# KiCad board cm0.kicad_pcb (continued)
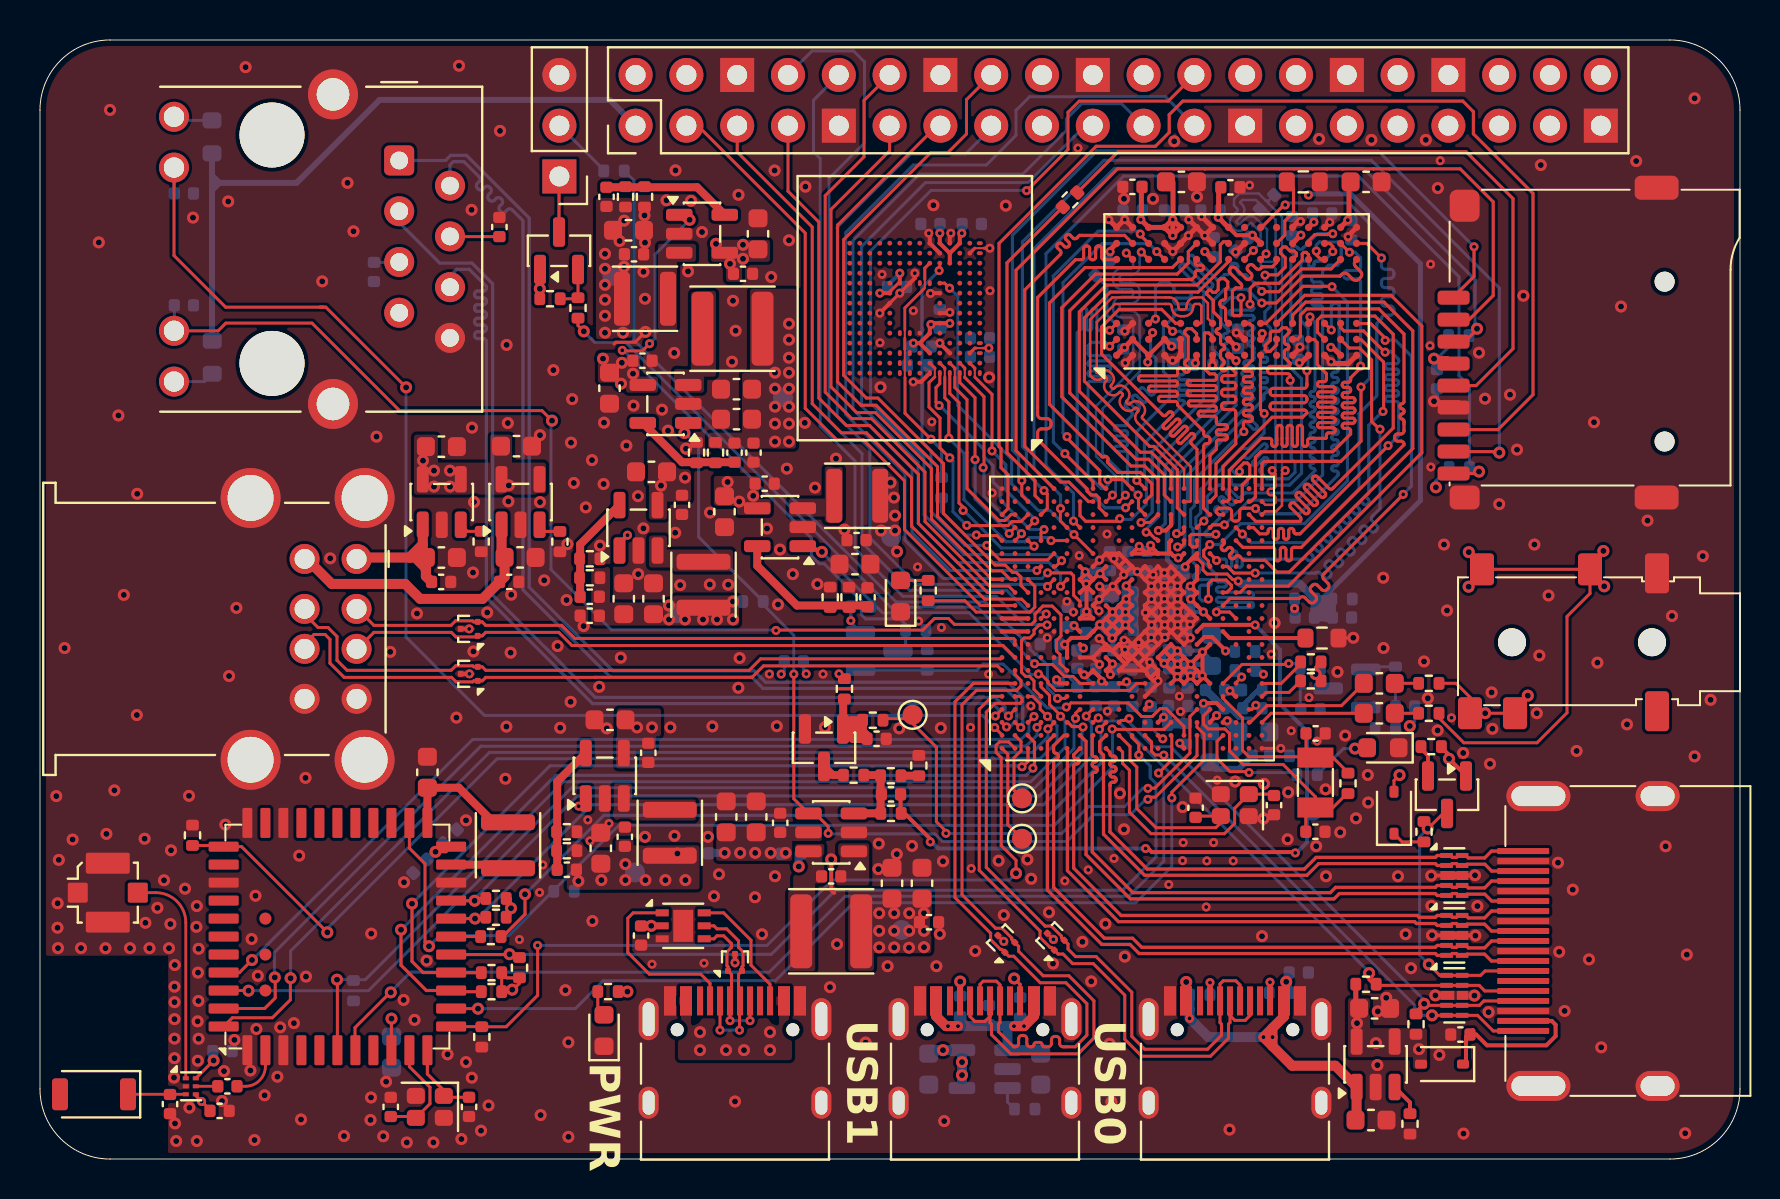
[diagram p0: board, top side]
## Library data of the parts (continued)
U3-U5 U8 = -: Datasheet: https://www.lcsc.com/datasheet/C79313.pdf; Description: 1.5MHz 1A Buck Adjustable DC DC Switching Regulator; LCSC Part #: C79313
U6 = -: Datasheet: https://www.lcsc.com/datasheet/C78988.pdf; Description: 1MHz 2A Buck Adjustable DC DC Switching Regulator; LCSC Part #: C78988
U7 = -: Datasheet: https://www.lcsc.com/datasheet/C479075.pdf; Description: 500kHz 3A Buck Adjustable DC DC Switching Regulator; LCSC Part #: C479075; FT Rotation Offset: 90
U9-U12 = -: Datasheet: https://www.lcsc.com/datasheet/C55136.pdf; Description: 1 Active High High Side Switch SOT-23-5 Power Distribution Switches, Load Drivers RoHS; LCSC Part #: C55136; FT Rotation Offset: 90
U13-U16 U18 = -: Datasheet: http://www.ti.com/lit/ds/symlink/tpd2eusb30a.pdf; Description: 2-Channel ESD Protection for Super-Speed USB 3.0 Interface, DRT-3; LCSC Part #: C5182099; FT Rotation Offset: -90; ki_fp_filters: Texas*DRT*
U17 = -: Datasheet: https://www.lcsc.com/datasheet/C22373734.pdf; Description: 100W 3V~22V 5V Power Receiver USB PD Controller; LCSC Part #: C22373734; FT Rotation Offset: 90
U19-U21 = -: Datasheet: https://www.lcsc.com/datasheet/C2835428.pdf; Description: 13V 70W@8/20us 7.5V Unidirectional 5V DFN2510-10 TVS Diode; LCSC Part #: C2835428; FT Rotation Offset: -90
U22 = -: Description: eMMC 5.1 BGA153 generic symbol; LCSC Part #: C2830403
U23 = -: Datasheet: https://www.lcsc.com/datasheet/C19267604.pdf; Description: 100MHz~4.2GHz 23dB 0.4dB DFN-6L RF Switche; LCSC Part #: C19267604; FT Position Offset: -0.127,0
U24 = -: Datasheet: https://www.lcsc.com/datasheet/C2798300.pdf; Description: WiFi + Bluetooth 4.1 + FM SIP Module; LCSC Part #: C2798300
Y1 = -: Description: Two pin crystal; LCSC Part #: C32346; ki_fp_filters: Crystal*
Y2 = -: Description: Four pin crystal, GND on pins 2 and 4; LCSC Part #: C7294676; ki_fp_filters: Crystal*
Y3 = -: Description: Four pin crystal, GND on pins 2 and 4; LCSC Part #: C7301948; ki_fp_filters: Crystal*

## Footprints (pads in the part's own frame, mm; a bottom-side part is the same pattern mirrored in y, then rotated)
AP6212
  rrect 1.5x0.5 smd: 1(-5.688,4.5) 2(-5.688,3.6) 3(-5.688,2.7) 4(-5.688,1.8) 5(-5.688,0.9) 6(-5.688,0) 7(-5.688,-0.9) 8(-5.688,-1.8) 9(-5.688,-2.7) 10(-5.688,-3.6) 11(-5.688,-4.5) 23(5.688,-4.5) 24(5.688,-3.6) 25(5.688,-2.7) 26(5.688,-1.8) 27(5.688,-0.9) 28(5.688,0) 29(5.688,0.9) 30(5.688,1.8) 31(5.688,2.7) 32(5.688,3.6) 33(5.688,4.5)
  rrect 0.5x1.5 smd: 12(-4.5,-5.688) 13(-3.6,-5.688) 14(-2.7,-5.688) 15(-1.8,-5.688) 16(-0.9,-5.688) 17(0,-5.688) 18(0.9,-5.688) 19(1.8,-5.688) 20(2.7,-5.688) 21(3.6,-5.688) 22(4.5,-5.688) 34(4.5,5.688) 35(3.6,5.688) 36(2.7,5.688) 37(1.8,5.688) 38(0.9,5.688) 39(0,5.688) 40(-0.9,5.688) 41(-1.8,5.688) 42(-2.7,5.688) 43(-3.6,5.688) 44(-4.5,5.688)
  round 0.6 smd: 45(-2.7,3.6) 46(-0.9,3.6) 47(0.9,3.6)
C_0402_1005Metric
  rrect 0.56x0.62 smd: 1(-0.48,0) 2(0.48,0)
C_0603_1608Metric
  rrect 0.9x0.95 smd: 1(-0.775,0) 2(0.775,0)
Crystal_SMD_2016-4Pin_2.0x1.6mm
  rrect 0.9x0.8 smd: 1(-0.7,-0.55) 2(0.7,-0.55) 3(0.7,0.55) 4(-0.7,0.55)
Crystal_SMD_3215-2Pin_3.2x1.5mm
  rect 1x1.8 smd: 1(1.25,0) 2(-1.25,0)
D_SOD-323
  rrect 0.6x0.45 smd: 1(-1.05,0) 2(1.05,0)
DFN-6-1EP_2x2mm_P0.65mm_EP1x1.6mm
  rect 0.82x0.63 smd: (0,0.4) (0,-0.4)
  rect 0.65x0.35 smd: 1(-1.05,0.65) 2(-1.05,0) 3(-1.05,-0.65) 4(1.05,-0.65) 5(1.05,0) 6(1.05,0.65)
  rect 1x1.6 smd: 7(0,0)
DFN-6_1.1x0.7mm_P0.4mm
  rect 0.3x0.2 smd: 1(-0.368,0.4) 2(-0.368,0) 3(-0.368,-0.4) 4(0.132,-0.4) 5(0.132,0) 6(0.132,0.4)
Diodes_UDFN-10_1.0x2.5mm_P0.5mm
  rect 0.625x0.25 smd: 1(-0.388,1) 2(-0.388,0.5) 4(-0.388,-0.5) 5(-0.388,-1) 6(0.388,-1) 7(0.388,-0.5) 9(0.388,0.5) 10(0.388,1)
  rect 0.7x0.45 smd: 3(-0.35,0)
  rect 0.575x0.45 smd: 8(0.412,0)
FBGA-96_7.5x13mm_Layout9x16_P0.8mm
  round 0.36 smd: A1(-3.2,6) A2(-2.4,6) A3(-1.6,6) A7(1.6,6) A8(2.4,6) A9(3.2,6) B1(-3.2,5.2) B2(-2.4,5.2) B3(-1.6,5.2) B7(1.6,5.2) B8(2.4,5.2) B9(3.2,5.2) C1(-3.2,4.4) C2(-2.4,4.4) C3(-1.6,4.4) C7(1.6,4.4) C8(2.4,4.4) C9(3.2,4.4) D1(-3.2,3.6) D2(-2.4,3.6) D3(-1.6,3.6) D7(1.6,3.6) D8(2.4,3.6) D9(3.2,3.6) E1(-3.2,2.8) E2(-2.4,2.8) E3(-1.6,2.8) E7(1.6,2.8) E8(2.4,2.8) E9(3.2,2.8) F1(-3.2,2) F2(-2.4,2) F3(-1.6,2) F7(1.6,2) F8(2.4,2) F9(3.2,2) G1(-3.2,1.2) G2(-2.4,1.2) G3(-1.6,1.2) G7(1.6,1.2) G8(2.4,1.2) G9(3.2,1.2) H1(-3.2,0.4) H2(-2.4,0.4) H3(-1.6,0.4) H7(1.6,0.4) H8(2.4,0.4) H9(3.2,0.4) J1(-3.2,-0.4) J2(-2.4,-0.4) J3(-1.6,-0.4) J7(1.6,-0.4) J8(2.4,-0.4) J9(3.2,-0.4) K1(-3.2,-1.2) K2(-2.4,-1.2) K3(-1.6,-1.2) K7(1.6,-1.2) K8(2.4,-1.2) K9(3.2,-1.2) L1(-3.2,-2) L2(-2.4,-2) L3(-1.6,-2) L7(1.6,-2) L8(2.4,-2) L9(3.2,-2) M1(-3.2,-2.8) M2(-2.4,-2.8) M3(-1.6,-2.8) M7(1.6,-2.8) M8(2.4,-2.8) M9(3.2,-2.8) N1(-3.2,-3.6) N2(-2.4,-3.6) N3(-1.6,-3.6) N7(1.6,-3.6) N8(2.4,-3.6) N9(3.2,-3.6) P1(-3.2,-4.4) P2(-2.4,-4.4) P3(-1.6,-4.4) P7(1.6,-4.4) P8(2.4,-4.4) P9(3.2,-4.4) R1(-3.2,-5.2) R2(-2.4,-5.2) R3(-1.6,-5.2) R7(1.6,-5.2) R8(2.4,-5.2) R9(3.2,-5.2) T1(-3.2,-6) T2(-2.4,-6) T3(-1.6,-6) T7(1.6,-6) T8(2.4,-6) T9(3.2,-6)
FBGA-347_14x14mm_Layout21x21_P0.65mm
  round 0.24 smd: A1(-6.5,6.5) A2(-5.85,6.5) A3(-5.2,6.5) A4(-4.55,6.5) A5(-3.9,6.5) A7(-2.6,6.5) A8(-1.95,6.5) A10(-0.65,6.5) A11(0,6.5) A13(1.3,6.5) A14(1.95,6.5) A16(3.25,6.5) A17(3.9,6.5) A19(5.2,6.5) A20(5.85,6.5) A21(6.5,6.5) AA1(-6.5,-6.5) AA2(-5.85,-6.5) AA3(-5.2,-6.5) AA5(-3.9,-6.5) AA6(-3.25,-6.5) AA8(-1.95,-6.5) AA9(-1.3,-6.5) AA11(0,-6.5) AA12(0.65,-6.5) AA14(1.95,-6.5) AA15(2.6,-6.5) AA17(3.9,-6.5) AA18(4.55,-6.5) AA19(5.2,-6.5) AA20(5.85,-6.5) AA21(6.5,-6.5) B1(-6.5,5.85) B2(-5.85,5.85) B3(-5.2,5.85) B4(-4.55,5.85) B5(-3.9,5.85) B6(-3.25,5.85) B7(-2.6,5.85) B8(-1.95,5.85) B9(-1.3,5.85) B10(-0.65,5.85) B11(0,5.85) B12(0.65,5.85) B13(1.3,5.85) B14(1.95,5.85) B15(2.6,5.85) B16(3.25,5.85) B17(3.9,5.85) B18(4.55,5.85) B19(5.2,5.85) B20(5.85,5.85) B21(6.5,5.85) C1(-6.5,5.2) C2(-5.85,5.2) C3(-5.2,5.2) C5(-3.9,5.2) C6(-3.25,5.2) C7(-2.6,5.2) C8(-1.95,5.2) C9(-1.3,5.2) C10(-0.65,5.2) C11(0,5.2) C12(0.65,5.2) C13(1.3,5.2) C14(1.95,5.2) C15(2.6,5.2) C16(3.25,5.2) C17(3.9,5.2) C18(4.55,5.2) C19(5.2,5.2) C20(5.85,5.2) C21(6.5,5.2) D1(-6.5,4.55) D2(-5.85,4.55) D3(-5.2,4.55) D5(-3.9,4.55) D6(-3.25,4.55) D8(-1.95,4.55) D10(-0.65,4.55) D11(0,4.55) D13(1.3,4.55) D15(2.6,4.55) D17(3.9,4.55) D19(5.2,4.55) D20(5.85,4.55) E2(-5.85,3.9) E3(-5.2,3.9) E8(-1.95,3.9) E10(-0.65,3.9) E11(0,3.9) E13(1.3,3.9) E14(1.95,3.9) E15(2.6,3.9) E16(3.25,3.9) E18(4.55,3.9) E19(5.2,3.9) E20(5.85,3.9) E21(6.5,3.9) F1(-6.5,3.25) F2(-5.85,3.25) F3(-5.2,3.25) F5(-3.9,3.25) F6(-3.25,3.25) F7(-2.6,3.25) F8(-1.95,3.25) F10(-0.65,3.25) F11(0,3.25) F13(1.3,3.25) F14(1.95,3.25) F16(3.25,3.25) F17(3.9,3.25) F18(4.55,3.25) F19(5.2,3.25) F20(5.85,3.25) F21(6.5,3.25) G1(-6.5,2.6) G2(-5.85,2.6) G4(-4.55,2.6) G5(-3.9,2.6) G7(-2.6,2.6) G8(-1.95,2.6) G9(-1.3,2.6) G10(-0.65,2.6) G11(0,2.6) G12(0.65,2.6) G13(1.3,2.6) G14(1.95,2.6) G15(2.6,2.6) G18(4.55,2.6) G20(5.85,2.6) H2(-5.85,1.95) H3(-5.2,1.95) H4(-4.55,1.95) H6(-3.25,1.95) H7(-2.6,1.95) H8(-1.95,1.95) H10(-0.65,1.95) H11(0,1.95) H12(0.65,1.95) H13(1.3,1.95) H14(1.95,1.95) H15(2.6,1.95) H16(3.25,1.95) H17(3.9,1.95) H18(4.55,1.95) H19(5.2,1.95) H20(5.85,1.95) H21(6.5,1.95) J1(-6.5,1.3) J2(-5.85,1.3) J3(-5.2,1.3) J6(-3.25,1.3) J7(-2.6,1.3) J8(-1.95,1.3) J9(-1.3,1.3) J10(-0.65,1.3) J11(0,1.3) J12(0.65,1.3) J13(1.3,1.3) J14(1.95,1.3) J15(2.6,1.3) J16(3.25,1.3) J19(5.2,1.3) J20(5.85,1.3) J21(6.5,1.3) K1(-6.5,0.65) K2(-5.85,0.65) K3(-5.2,0.65) K4(-4.55,0.65) K6(-3.25,0.65) K7(-2.6,0.65) K8(-1.95,0.65) K9(-1.3,0.65) K10(-0.65,0.65) K11(0,0.65) K12(0.65,0.65) K13(1.3,0.65) K14(1.95,0.65) K15(2.6,0.65) K16(3.25,0.65) K17(3.9,0.65) K18(4.55,0.65) K20(5.85,0.65) L2(-5.85,0) L5(-3.9,0) L8(-1.95,0) L9(-1.3,0) L10(-0.65,0) L11(0,0) L12(0.65,0) L13(1.3,0) L14(1.95,0) L15(2.6,0) L16(3.25,0) L17(3.9,0) L18(4.55,0) L19(5.2,0) L20(5.85,0) L21(6.5,0) M1(-6.5,-0.65) M2(-5.85,-0.65) M3(-5.2,-0.65) M4(-4.55,-0.65) M5(-3.9,-0.65) M6(-3.25,-0.65) M7(-2.6,-0.65) M8(-1.95,-0.65) M9(-1.3,-0.65) M10(-0.65,-0.65) M11(0,-0.65) M12(0.65,-0.65) M13(1.3,-0.65) M14(1.95,-0.65) M15(2.6,-0.65) M16(3.25,-0.65) M19(5.2,-0.65) M20(5.85,-0.65) M21(6.5,-0.65) N1(-6.5,-1.3) N2(-5.85,-1.3) N3(-5.2,-1.3) N7(-2.6,-1.3) N8(-1.95,-1.3) N9(-1.3,-1.3) N10(-0.65,-1.3) N11(0,-1.3) N12(0.65,-1.3) N13(1.3,-1.3) N14(1.95,-1.3) N15(2.6,-1.3) N16(3.25,-1.3) N17(3.9,-1.3) N19(5.2,-1.3) N20(5.85,-1.3) P2(-5.85,-1.95) P3(-5.2,-1.95) P6(-3.25,-1.95) P7(-2.6,-1.95) P8(-1.95,-1.95) P9(-1.3,-1.95) P10(-0.65,-1.95) P11(0,-1.95) P12(0.65,-1.95) P13(1.3,-1.95) P14(1.95,-1.95) P15(2.6,-1.95) P16(3.25,-1.95) P17(3.9,-1.95) P19(5.2,-1.95) P20(5.85,-1.95) P21(6.5,-1.95) R1(-6.5,-2.6) R2(-5.85,-2.6) R6(-3.25,-2.6) R7(-2.6,-2.6) R8(-1.95,-2.6) R9(-1.3,-2.6) R10(-0.65,-2.6) R11(0,-2.6) R12(0.65,-2.6) R13(1.3,-2.6) R14(1.95,-2.6) R16(3.25,-2.6) R17(3.9,-2.6) R18(4.55,-2.6) R19(5.2,-2.6) R20(5.85,-2.6) R21(6.5,-2.6) T2(-5.85,-3.25) T3(-5.2,-3.25) T4(-4.55,-3.25) T5(-3.9,-3.25) T6(-3.25,-3.25) T7(-2.6,-3.25) T8(-1.95,-3.25) T9(-1.3,-3.25) T10(-0.65,-3.25) T11(0,-3.25) T12(0.65,-3.25) T13(1.3,-3.25) T14(1.95,-3.25) T15(2.6,-3.25) T16(3.25,-3.25) T17(3.9,-3.25) T18(4.55,-3.25) T20(5.85,-3.25) U2(-5.85,-3.9) U3(-5.2,-3.9) U4(-4.55,-3.9) U6(-3.25,-3.9) U9(-1.3,-3.9) U11(0,-3.9) U15(2.6,-3.9) U16(3.25,-3.9) U18(4.55,-3.9) U19(5.2,-3.9) U20(5.85,-3.9) U21(6.5,-3.9) V1(-6.5,-4.55) V2(-5.85,-4.55) V3(-5.2,-4.55) V4(-4.55,-4.55) V5(-3.9,-4.55) V6(-3.25,-4.55) V10(-0.65,-4.55) V11(0,-4.55) V12(0.65,-4.55) V13(1.3,-4.55) V15(2.6,-4.55) V17(3.9,-4.55) V19(5.2,-4.55) V20(5.85,-4.55) V21(6.5,-4.55) W1(-6.5,-5.2) W2(-5.85,-5.2) W3(-5.2,-5.2) W5(-3.9,-5.2) W6(-3.25,-5.2) W9(-1.3,-5.2) W11(0,-5.2) W12(0.65,-5.2) W13(1.3,-5.2) W15(2.6,-5.2) W17(3.9,-5.2) W18(4.55,-5.2) W20(5.85,-5.2) W21(6.5,-5.2) Y1(-6.5,-5.85) Y2(-5.85,-5.85) Y3(-5.2,-5.85) Y4(-4.55,-5.85) Y7(-2.6,-5.85) Y8(-1.95,-5.85) Y9(-1.3,-5.85) Y10(-0.65,-5.85) Y11(0,-5.85) Y12(0.65,-5.85) Y13(1.3,-5.85) Y14(1.95,-5.85) Y15(2.6,-5.85) Y16(3.25,-5.85) Y17(3.9,-5.85) Y18(4.55,-5.85) Y19(5.2,-5.85) Y20(5.85,-5.85) Y21(6.5,-5.85)
GPDI_A_XUNPU_001S
  rrect 0.3x2.6 smd: 1(4.5,3.36) 2(4,3.36) 3(3.5,3.36) 4(3,3.36) 5(2.5,3.36) 6(2,3.36) 7(1.5,3.36) 8(1,3.36) 9(0.5,3.36) 10(0,3.36) 11(-0.5,3.36) 12(-1,3.36) 13(-1.5,3.36) 14(-2,3.36) 15(-2.5,3.36) 16(-3,3.36) 17(-3.5,3.36) 18(-4,3.36) 19(-4.5,3.36)
  oval 1.5x3.2 hole 1x2.7: SH(-7.25,2.6) SH(7.25,2.6)
  oval 1.5x2.2 hole 1x1.7: SH(-7.25,-3.36) SH(7.25,-3.36)
Jack_3.5mm_SHOUHAN_PJ-342
  round 1.4 hole 1.4 unplated: (-7,0) (0,0)
  rrect 1.2x2 smd: 1(-7.25,-3.45) 2(-7.25,3.45)
  rrect 1.2x1.6 smd: 3(-3.9,-3.65) 3(1.5,-3.65) 4(-0.15,3.55) 4(2.1,3.55)
Johanson_2450AT18x100
  rrect 0.8x1.6 smd: 1(-1.7,0) 2(1.7,0)
L_Sunlord_SWPA3015S
  rrect 0.8x2.7 smd: 1(-1.15,0) 2(1.15,0)
L_Sunlord_SWPA4030S
  rrect 1.1x3.7 smd: 1(-1.5,0) 2(1.5,0)
LED_0603_1608Metric
  rrect 0.875x0.95 smd: 1(-0.787,0) 2(0.787,0)
LFBGA-153_11.5x13mm_Layout14x14_P0.5mm
  oval 0.19x0.3 smd: A1(-3.25,3.25) A2(-2.75,3.25) A3(-2.25,3.25) A4(-1.75,3.25) A5(-1.25,3.25) A6(-0.75,3.25) A8(0.25,3.25) A9(0.75,3.25) B8(0.25,2.75) B9(0.75,2.75) C8(0.25,2.25) C9(0.75,2.25) E8(0.25,1.25) E9(0.75,1.25) K6(-0.75,-1.25) K7(-0.25,-1.25)
  round 0.24 smd: A7(-0.25,3.25) A10(1.25,3.25) A11(1.75,3.25) A12(2.25,3.25) A13(2.75,3.25) A14(3.25,3.25) B1(-3.25,2.75) B2(-2.75,2.75) B3(-2.25,2.75) B4(-1.75,2.75) B5(-1.25,2.75) B6(-0.75,2.75) B7(-0.25,2.75) B10(1.25,2.75) B11(1.75,2.75) B12(2.25,2.75) B13(2.75,2.75) B14(3.25,2.75) C2(-2.75,2.25) C3(-2.25,2.25) C4(-1.75,2.25) C5(-1.25,2.25) C6(-0.75,2.25) C7(-0.25,2.25) C10(1.25,2.25) C11(1.75,2.25) C12(2.25,2.25) C13(2.75,2.25) C14(3.25,2.25) D2(-2.75,1.75) D3(-2.25,1.75) D4(-1.75,1.75) D12(2.25,1.75) D13(2.75,1.75) D14(3.25,1.75) E1(-3.25,1.25) E2(-2.75,1.25) E3(-2.25,1.25) E5(-1.25,1.25) E6(-0.75,1.25) E7(-0.25,1.25) E10(1.25,1.25) E12(2.25,1.25) E13(2.75,1.25) E14(3.25,1.25) F1(-3.25,0.75) F2(-2.75,0.75) F3(-2.25,0.75) F5(-1.25,0.75) F10(1.25,0.75) F12(2.25,0.75) F13(2.75,0.75) F14(3.25,0.75) G1(-3.25,0.25) G2(-2.75,0.25) G3(-2.25,0.25) G5(-1.25,0.25) G10(1.25,0.25) G12(2.25,0.25) G13(2.75,0.25) G14(3.25,0.25) H1(-3.25,-0.25) H2(-2.75,-0.25) H3(-2.25,-0.25) H5(-1.25,-0.25) H10(1.25,-0.25) H12(2.25,-0.25) H13(2.75,-0.25) H14(3.25,-0.25) J1(-3.25,-0.75) J2(-2.75,-0.75) J3(-2.25,-0.75) J5(-1.25,-0.75) J10(1.25,-0.75) J12(2.25,-0.75) J13(2.75,-0.75) J14(3.25,-0.75) K1(-3.25,-1.25) K2(-2.75,-1.25) K3(-2.25,-1.25) K5(-1.25,-1.25) K8(0.25,-1.25) K9(0.75,-1.25) K10(1.25,-1.25) K12(2.25,-1.25) K13(2.75,-1.25) K14(3.25,-1.25) L1(-3.25,-1.75) L2(-2.75,-1.75) L3(-2.25,-1.75) L12(2.25,-1.75) L13(2.75,-1.75) L14(3.25,-1.75) M1(-3.25,-2.25) M2(-2.75,-2.25) M3(-2.25,-2.25) M4(-1.75,-2.25) M5(-1.25,-2.25) M6(-0.75,-2.25) M7(-0.25,-2.25) M8(0.25,-2.25) M9(0.75,-2.25) M10(1.25,-2.25) M11(1.75,-2.25) M12(2.25,-2.25) M13(2.75,-2.25) M14(3.25,-2.25) N2(-2.75,-2.75) N3(-2.25,-2.75) N4(-1.75,-2.75) N5(-1.25,-2.75) N6(-0.75,-2.75) N7(-0.25,-2.75) N8(0.25,-2.75) N9(0.75,-2.75) N10(1.25,-2.75) N11(1.75,-2.75) N12(2.25,-2.75) N13(2.75,-2.75) N14(3.25,-2.75) P2(-2.75,-3.25) P3(-2.25,-3.25) P4(-1.75,-3.25) P5(-1.25,-3.25) P6(-0.75,-3.25) P7(-0.25,-3.25) P8(0.25,-3.25) P9(0.75,-3.25) P10(1.25,-3.25) P11(1.75,-3.25) P12(2.25,-3.25) P13(2.75,-3.25) P14(3.25,-3.25)
  oval 0.3x0.19 smd: C1(-3.25,2.25) D1(-3.25,1.75) N1(-3.25,-2.75) P1(-3.25,-3.25)
microSD_TF-01A
  round 1 hole 1 unplated: (-5.254,-5.25) (2.746,-5.25)
  rrect 0.7x1.6 smd: 1(1.946,5.3) 2(0.846,5.3) 3(-0.254,5.3) 4(-1.354,5.3) 5(-2.454,5.3) 6(-3.554,5.3) 7(-4.654,5.3) 8(-5.754,5.3) 9(-6.854,5.3)
  rrect 1.2x1.5 smd: 10(-8.054,4.75)
  rrect 1.2x2.2 smd: 10(-8.054,-4.85) 10(7.446,-4.85)
  rrect 1.6x1.5 smd: 10(6.546,4.75)
PinHeader_1x03_P2.54mm_Vertical
  rect 1.7x1.7 hole 1: 1(0,0)
  round 1.7 hole 1: 2(0,-2.54) 3(0,-5.08)
PinHeader_2x20_P2.54mm_Vertical
  round 1.7 hole 1: 1(0,0) 2(2.54,0) 3(0,-2.54) 4(2.54,-2.54) 5(0,-5.08) 7(0,-7.62) 8(2.54,-7.62) 10(2.54,-10.16) 11(0,-12.7) 12(2.54,-12.7) 13(0,-15.24) 15(0,-17.78) 16(2.54,-17.78) 17(0,-20.32) 18(2.54,-20.32) 19(0,-22.86) 21(0,-25.4) 22(2.54,-25.4) 23(0,-27.94) 24(2.54,-27.94) 26(2.54,-30.48) 27(0,-33.02) 28(2.54,-33.02) 29(0,-35.56) 31(0,-38.1) 32(2.54,-38.1) 33(0,-40.64) 35(0,-43.18) 36(2.54,-43.18) 37(0,-45.72) 38(2.54,-45.72) 40(2.54,-48.26)
  rect 1.7x1.7 hole 1: 6(2.54,-5.08) 9(0,-10.16) 14(2.54,-15.24) 20(2.54,-22.86) 25(0,-30.48) 30(2.54,-35.56) 34(2.54,-40.64) 39(0,-48.26)
R_0402_1005Metric
  rrect 0.54x0.64 smd: 1(-0.51,0) 2(0.51,0)
R_0603_1608Metric
  rrect 0.8x0.95 smd: 1(-0.825,0) 2(0.825,0)
RJ45_Hanrun_HR911105A_Horizontal
  round 3.25 hole 3.25 unplated: (-1.275,-6.36) (10.155,-6.36)
  rrect 1.5x1.5 hole 0.89: 1(0,0)
  round 1.5 hole 0.89: 2(1.26,2.54) 3(2.54,0) 4(3.8,2.54) 5(5.08,0) 6(6.34,2.54) 7(7.62,0) 8(8.88,2.54)
  round 1.5 hole 1.02: 9(-2.185,-11.26) 10(0.355,-11.26) 11(8.525,-11.26) 12(11.065,-11.26)
  round 2.5 hole 1.63: SH(-3.305,-3.31) SH(12.185,-3.31)
SOT-23
  rrect 1.475x0.6 smd: 1(-0.938,0.95) 2(-0.938,-0.95) 3(0.938,0)
SOT-23-5
  rrect 1.325x0.6 smd: 1(-1.137,0.95) 2(-1.137,0) 3(-1.137,-0.95) 4(1.137,-0.95) 5(1.137,0.95)
TestPoint_Pad_D1.0mm
  round 1 smd: 1(0,0)
Texas_DRT-3
  rrect 0.3x0.3 smd: 1(-0.35,-0.425) 2(0.35,-0.425) 3(0,0.425)
TSOT-23-6
  rrect 1.325x0.6 smd: 1(-1.137,0.95) 2(-1.137,0) 3(-1.137,-0.95) 4(1.137,-0.95) 5(1.137,0) 6(1.137,0.95)
U.FL_Molex_MCRF_73412-0110_Vertical
  rrect 1x1 smd: 1(0,-1.5) 2(0,1.5)
  rrect 1.05x2.2 smd: 2(-1.475,0) 2(1.475,0)
USB_A_SHOUHAN_AF_SS-JB17.6_Horizontal_Stacked
  round 1.5 hole 1: 1(-3.5,2.45) 2(-1,2.45) 3(1,2.45) 4(3.5,2.45) 5(-3.5,-0.15) 6(-1,-0.15) 7(1,-0.15) 8(3.5,-0.15)
  round 3 hole 2.3: 9(-6.55,2.85) 9(-6.55,-2.85) 9(6.55,2.85) 9(6.55,-2.85)
USB_C_Receptacle_HRO_TYPE-C-31-M-12
  round 0.65 hole 0.65 unplated: (-2.89,2.6) (2.89,2.6)
  rect 0.6x1.45 smd: A1(-3.25,4.045) A4(-2.45,4.045) A9(2.45,4.045) A12(3.25,4.045) B1(3.25,4.045) B4(2.45,4.045) B9(-2.45,4.045) B12(-3.25,4.045)
  rect 0.3x1.45 smd: A5(-1.25,4.045) A6(-0.25,4.045) A7(0.25,4.045) A8(1.25,4.045) B5(1.75,4.045) B6(0.75,4.045) B7(-0.75,4.045) B8(-1.75,4.045)
  oval 1x2.1 hole 0.6x1.7: S1(-4.32,3.13) S1(4.32,3.13)
  oval 1x1.6 hole 0.6x1.2: S1(-4.32,-1.05) S1(4.32,-1.05)

## Nets
+1V1_CPUX: C12.1 C13.2 C14.2 C15.2 C16.2 C91.2 C92.1 C93.1 L5.2 TP8.1 U1.N8 U1.P6 U1.P7 U1.P8 U1.P9 U1.R6 U1.R7 U1.R8 U1.T6 U1.T7 U1.T8 U1.U6 U1.U9
+1V2_SYSTEM: C4.2 C17.1 C18.2 C19.2 C20.2 C21.2 C83.1 C84.2 C85.1 C86.1 L4.2 R26.2 TP7.1 U1.F8 U1.H10 U1.J10 U1.J11 U1.J12 U1.K10 U1.K11 U1.K12 U1.L10 U1.L11 U1.L12 U1.L13 U1.L14
+1V5: C36.2 C37.2 C38.2 C39.2 C43.1 C45.1 C46.2 C47.1 C48.1 C49.1 C50.1 C51.1 C52.2 C53.1 C54.1 C55.1 C56.1 C57.1 C58.1 C59.1 C60.1 C61.1 C72.1 C73.2 C74.1 L2.2 R15.2 R22.2 TP5.1 U1.L16 U1.M16 U1.N16 U1.P16 U1.P17 U1.R16 U1.T12 U1.T13 U1.T14 U1.T15 U1.U11 U2.A1 U2.A8 U2.B2 U2.C1 U2.C9 U2.D2 U2.D9 U2.E9 U2.F1 U2.G7 U2.H2 U2.H9 U2.K2 U2.K8 U2.N1 U2.N9 U2.R1 U2.R9
+3V3_AVCC: C5.2 C9.2 C24.2 C25.1 C26.2 C77.1 C78.2 C79.1 C80.1 L3.2 Q3.2 R3.1 R4.1 R5.1 R8.1 R13.1 R18.1 R19.1 R23.2 R31.1 TP6.1 U1.G9 U1.K6 U1.N3 U1.V3
+3V3_IO: C1.2 C2.2 C3.2 C6.2 C10.2 C11.2 C31.1 C68.2 C69.2 C97.1 C98.2 C99.1 C115.2 C116.1 C117.2 C118.2 C119.1 C120.2 D1.2 J6.4 J9.1 L6.2 Q4.1 Q5.1 R2.1 R34.2 R46.1 R50.1 R51.1 R52.1 R65.1 R66.1 R70.1 TP9.1 U1.G7 U1.G11 U1.G13 U1.G14 U1.G15 U1.H7 U1.H11 U1.H13 U1.H14 U1.J6 U1.J14 U1.J15 U22.C6 U22.E6 U22.F5 U22.J10 U22.K9 U22.M4 U22.N4 U22.P3 U22.P5
+3V3_WIFI: C62.2 C65.1 C66.2 C67.1 C123.1 C124.1 C125.1 C126.1 C129.1 L1.2 R20.2 R55.1 R56.1 R57.1 R58.1 R59.1 R61.1 TP4.1 U23.4 U23.6 U24.9 U24.22
+5V: C62.1 C63.1 C64.2 C68.1 C69.1 C70.1 C71.2 C75.1 C76.2 C81.1 C82.2 C88.1 C89.1 C90.2 C95.1 C96.2 C103.1 C106.1 C109.1 C112.1 C113.2 D2.2 J4.A4 J4.A9 J4.B4 J4.B9 J9.2 J9.4 R48.2 R49.2 R69.2 U3.1 U3.4 U4.4 U5.1 U5.4 U6.4 U7.5 U8.4 U9.4 U9.5 U10.4 U10.5 U11.4 U11.5 U12.4 U12.5 U17.2
/H3/AGND: C25.2 C26.1 C27.2 C28.1 C29.2 C30.1 R9.2 R10.1 U1.U3
GND: C1.1 C2.1 C3.1 C4.1 C5.1 C6.1 C7.2 C8.2 C9.1 C10.1 C11.1 C12.2 C13.1 C14.1 C15.1 C16.1 C17.2 C18.1 C19.1 C20.1 C21.1 C22.1 C23.1 C24.1 C32.1 C33.2 C34.2 C35.2 C36.1 C37.1 C38.1 C39.1 C40.2 C41.2 C42.2 C44.2 C45.2 C46.1 C47.2 C48.2 C49.2 C50.2 C51.2 C52.1 C53.2 C54.2 C55.2 C56.2 C57.2 C58.2 C59.2 C60.2 C61.2 C63.2 C64.1 C66.1 C67.2 C70.2 C71.1 C73.1 C74.2 C75.2 C76.1 C78.1 C79.2 C80.2 C81.2 C82.1 C84.1 C85.2 C86.2 C88.2 C89.2 C90.1 C91.1 C92.2 C93.2 C95.2 C96.1 C98.1 C99.2 C100.2 C101.1 C102.2 C103.2 C104.1 C105.2 C106.2 C107.1 C108.2 C109.2 C110.1 C111.2 C112.2 C113.1 C114.1 C115.1 C116.2 C117.1 C118.1 C119.2 C120.1 C121.2 C122.1 C123.2 C124.2 C125.2 C126.2 C128.2 C129.2 C130.2 C131.2 C132.2 C133.1 C134.1 C135.2 C136.2 D3.1 D4.1 D5.1 J1.4 J1.8 J1.9 J2.A1 J2.A12 J2.B1 J2.B12 J2.S1 J3.A1 J3.A12 J3.B1 J3.B12 J3.S1 J4.A1 J4.A12 J4.B1 J4.B12 J4.S1 J5.2 J5.5 J5.8 J5.11 J5.17 J5.SH J6.6 J6.10 J7.2 J8.8 J8.SH J9.6 J9.9 J9.14 J9.20 J9.25 J9.30 J9.34 J9.39 J10.3 J11.1 Q1.2 Q2.2 R1.2 R6.1 R7.2 R10.2 R12.2 R16.1 R17.2 R21.1 R24.1 R25.1 R27.1 R32.1 R35.1 R36.1 R37.2 R40.2 R41.2 R42.2 R45.2 R62.2 R63.2 R64.2 U1.A10 U1.A11 U1.A21 U1.AA1 U1.B10 U1.B11 U1.C8 U1.C9 U1.C10 U1.C11 U1.D10 U1.E8 U1.E10 U1.G8 U1.H8 U1.H12 U1.H15 U1.J9 U1.J13 U1.J16 U1.K7 U1.K8 U1.K9 U1.K13 U1.K14 U1.K15 U1.K16 U1.L8 U1.L9 U1.L15 U1.M5 U1.M7 U1.M8 U1.M9 U1.M10 U1.M11 U1.M12 U1.M13 U1.M14 U1.M15 U1.N7 U1.N9 U1.N10 U1.N11 U1.N12 U1.N13 U1.N14 U1.N15 U1.P10 U1.P11 U1.P12 U1.P13 U1.P14 U1.P15 U1.R9 U1.R10 U1.R11 U1.R12 U1.R13 U1.R14 U1.T11 U2.A9 U2.B1 U2.B3 U2.B9 U2.D1 U2.D8 U2.E1 U2.E2 U2.E8 U2.F9 U2.G1 U2.G8 U2.G9 U2.J2 U2.J8 U2.M1 U2.M9 U2.P1 U2.P9 U2.T1 U2.T9 U3.2 U4.2 U5.2 U6.2 U7.2 U8.2 U9.2 U10.2 U11.2 U12.2 U13.3 U14.3 U15.3 U16.3 U17.3 U17.7 U18.3 U19.3 U19.8 U20.3 U20.8 U21.3 U21.8 U22.A6 U22.C4 U22.E7 U22.G5 U22.H10 U22.J5 U22.K8 U22.N2 U22.N5 U22.P4 U22.P6 U23.2 U24.1 U24.3 U24.20 U24.31 U24.33 U24.36 Y2.2 Y2.4 Y3.2 Y3.4
VDD_CPUS: C8.1 C22.2 C23.2 U1.J7 U1.J8 U1.M4
/Audio/AUDIO_L: C137.2 U1.AA3
/Audio/AUDIO_R: C138.2 U1.Y3
/Audio/TV_OUT: U1.F10
/DDR3/A0: U1.T17 U2.N3
/DDR3/A1: U1.U18 U2.P7
/DDR3/A2: U1.V19 U2.P3
/DDR3/A3: U1.V20 U2.N2
/DDR3/A4: U1.V21 U2.P8
/DDR3/A5: U1.Y19 U2.P2
/DDR3/A6: U1.Y20 U2.R8
/DDR3/A7: U1.V15 U2.R2
/DDR3/A8: U1.W18 U2.T8
/DDR3/A9: U1.Y18 U2.R3
/DDR3/A10: U1.P19 U2.L7
/DDR3/A11: U1.N19 U2.R7
/DDR3/A12: U1.R18 U2.N7
/DDR3/A13: U1.V12 U2.T3
/DDR3/A14: U1.N17 U2.T7
/DDR3/A15: U1.R17 U2.M7
/DDR3/BA0: U1.W17 U2.M2
/DDR3/BA1: U1.T18 U2.N8
/DDR3/BA2: U1.V17 U2.M3
/DDR3/CKE: U1.AA21 U2.K9
/DDR3/CLK+: R75.1 U1.AA19 U2.J7
/DDR3/CLK-: R75.2 U1.AA20 U2.K7
/DDR3/DQ0: U1.T20 U2.E3
/DDR3/DQ1: U1.P20 U2.F7
/DDR3/DQ2: U1.U19 U2.F2
/DDR3/DQ3: U1.N20 U2.F8
/DDR3/DQ4: U1.U20 U2.H3
/DDR3/DQ5: U1.P21 U2.H8
/DDR3/DQ6: U1.U21 U2.G2
/DDR3/DQ7: U1.R19 U2.H7
/DDR3/DQ8: U1.J21 U2.D7
/DDR3/DQ9: U1.M21 U2.C3
/DDR3/DQ10: U1.H21 U2.C8
/DDR3/DQ11: U1.M19 U2.C2
/DDR3/DQ12: U1.J19 U2.A7
/DDR3/DQ13: U1.L21 U2.A2
/DDR3/DQ14: U1.H20 U2.B8
/DDR3/DQ15: U1.L20 U2.A3
/DDR3/DQM0: U1.M20 U2.E7
/DDR3/DQM1: U1.G20 U2.D3
/DDR3/DQS0+: U1.R20 U2.F3
/DDR3/DQS0-: U1.R21 U2.G3
/DDR3/DQS1+: U1.K20 U2.C7
/DDR3/DQS1-: U1.J20 U2.B7
/DDR3/ODT: U1.W11 U2.K1
/DDR3/~{CAS}: U1.U15 U2.K3
/DDR3/~{CS}: U1.W20 U2.L2
/DDR3/~{RAS}: U1.V13 U2.J3
/DDR3/~{RESET}: U1.U16 U2.T2
/DDR3/~{WE}: U1.W13 U2.L3
/GPDI/GPDI_CEC: U1.G5
/GPDI/GPDI_CECI: J5.13 Q4.3 R47.2 U21.1 U21.10
/GPDI/GPDI_CLK+: J5.10 U1.F2 U20.4 U20.7
/GPDI/GPDI_CLK-: J5.12 U1.E2 U20.5 U20.6
/GPDI/GPDI_D0+: J5.7 U1.G1 U20.1 U20.10
/GPDI/GPDI_D0-: J5.9 U1.F1 U20.2 U20.9
/GPDI/GPDI_D1+: J5.4 U1.H2 U19.4 U19.7
/GPDI/GPDI_D1-: J5.6 U1.G2 U19.5 U19.6
/GPDI/GPDI_D2+: J5.1 U1.J1 U19.1 U19.10
/GPDI/GPDI_D2-: J5.3 U1.J2 U19.2 U19.9
/GPDI/GPDI_HPD: J5.19 U1.M2 U21.5 U21.6
/GPDI/GPDI_SCL: J5.15 R49.1 U1.H3 U21.2 U21.9
/GPDI/GPDI_SDA: J5.16 R48.1 U1.K3 U21.4 U21.7
/GPIO/CPU_RX: R71.1 U1.H6
/GPIO/CPU_TX: R72.1 U1.F5
/GPIO/GPIO3: J9.3 U1.B12
/GPIO/GPIO5: J9.5 U1.C12
/GPIO/GPIO7: J9.7 U1.A13
/GPIO/GPIO8: J9.8 U1.D11
/GPIO/GPIO10: J9.10 U1.D5
/GPIO/GPIO11: J9.11 U1.A14
/GPIO/GPIO12: J9.12 U1.B13
/GPIO/GPIO13: J9.13 U1.B14
/GPIO/GPIO15: J9.15 U1.E14
/GPIO/GPIO16: J9.16 U1.C13
/GPIO/GPIO17: J9.17
/GPIO/GPIO18: J9.18
/GPIO/GPIO19: J9.19 U1.F14
/GPIO/GPIO21: J9.21 U1.D15
/GPIO/GPIO22: J9.22
/GPIO/GPIO23: J9.23 U1.G12
/GPIO/GPIO24: J9.24 U1.E15
/GPIO/GPIO26: J9.26
/GPIO/GPIO27: J9.27
/GPIO/GPIO28: J9.28
/GPIO/GPIO29: J9.29
/GPIO/GPIO31: J9.31
/GPIO/GPIO32: J9.32
/GPIO/GPIO33: J9.33
/GPIO/GPIO35: J9.35
/GPIO/GPIO36: J9.36
/GPIO/GPIO37: J9.37
/GPIO/GPIO38: J9.38
/GPIO/GPIO40: J9.40
/GPIO/PWR_LED: R67.2 U1.V2
/GPIO/STATUS_LED: R68.2 U1.C14
/H3/BT_HOST_WAKE: U1.P2 U24.7
/H3/BT_RXD: U1.D3 U24.43
/H3/BT_TXD: U1.G4 U24.42
/H3/BT_WAKE: R63.1 U1.D6 U24.6
/H3/eMMC_CLK: R54.1 U1.A17
/H3/eMMC_CMD: R50.2 U1.E16 U22.M5
/H3/eMMC_D0: U1.B18 U22.A3
/H3/eMMC_D1: U1.C17 U22.A4
/H3/eMMC_D2: U1.D17 U22.A5
/H3/eMMC_D3: U1.C18 U22.B2
/H3/eMMC_D4: U1.B17 U22.B3
/H3/eMMC_D5: U1.B19 U22.B4
/H3/eMMC_D6: U1.F17 U22.B5
/H3/eMMC_D7: U1.C19 U22.B6
/H3/EPHY_LINK_LED: C136.1 J8.10 U1.A2
/H3/EPHY_RX+: J8.3 U1.B4
/H3/EPHY_RX-: J8.6 U1.A4
/H3/EPHY_SPD_LED: C135.1 J8.11 U1.F7
/H3/EPHY_TX+: J8.1 U1.B3
/H3/EPHY_TX-: J8.2 U1.A3
/H3/KEYADC: R5.2 U1.AA5
/H3/PWR_CPUFB: C94.1 R28.1 TP3.1 U1.T10
/H3/PWR_DRAM: R18.2 U1.M6 U4.1
/H3/PWR_IO: Q3.1 R36.2 U1.R2
/H3/PWR_KEY: R13.2 U1.R1
/H3/PWR_SYSTEM: R19.2 U1.T2 U6.1 U7.4
/H3/PWR_VSET: R33.2 TP10.1 U1.T4
/H3/RECOVERY: R3.2 U1.N2
/H3/RESET: C32.2 Q1.3 R8.2 U1.V6
/H3/SD_CLK: R53.1 U1.D20
/H3/SD_CMD: J6.3 R51.2 U1.F18
/H3/SD_D0: J6.7 U1.A19
/H3/SD_D1: J6.8 U1.D19
/H3/SD_D2: J6.1 U1.C20
/H3/SD_D3: J6.2 U1.E21
/H3/SD_DET: J6.9 R52.2 U1.G18
/H3/SDIO_CLK: R60.1 U1.J3
/H3/SDIO_CMD: R59.2 U1.L2 U24.16
/H3/SDIO_D0: R58.2 U1.H4 U24.18
/H3/SDIO_D1: R57.2 U1.F3 U24.19
/H3/SDIO_D2: R56.2 U1.C2 U24.14
/H3/SDIO_D3: R55.2 U1.C1 U24.15
/H3/UBOOT: R2.2 U1.W6
/H3/USB_D0+: J2.A6 J2.B6 U1.A5 U13.1
/H3/USB_D0-: J2.A7 J2.B7 U1.B5 U13.2
/H3/USB_D1+: J3.A6 J3.B6 U1.B6 U15.1
/H3/USB_D1-: J3.A7 J3.B7 U1.B7 U15.2
/H3/USB_D2+: J1.7 U1.A7 U14.1
/H3/USB_D2-: J1.6 U1.A8 U14.2
/H3/USB_D3+: J1.3 U1.B8 U16.1
/H3/USB_D3-: J1.2 U1.B9 U16.2
/H3/VRA1: C30.2 U1.Y4
/H3/VRA2: C29.1 R9.1 U1.W5
/H3/VRP: C27.1 C28.2 U1.V4
/H3/WIFI_32K: R61.2 U1.P3 U24.24
/H3/WL_HOST_WAKE: U1.T3 U24.13
/H3/WL_REG_ON: R64.1 U1.B1 U24.12
/H3/X24MI: C34.1 U1.K2 Y2.3
/H3/X24MO: C41.1 U1.K1 Y2.1
/H3/X32KI: C33.1 R14.1 U1.V5 Y1.2
/H3/X32KO: C40.1 R14.2 U1.U4 Y1.1
/H3/~{BT_CTS}: U1.E3 U24.44
/H3/~{BT_RST}: R62.1 U1.C5 U24.34
/H3/~{BT_RTS}: U1.C3 U24.41
/H3/~{eMMC_RST}: U1.H16 U22.K5
/USB/PWR_CC1: J4.A5 U17.1
/USB/PWR_CC2: J4.B5 U17.6
/USB/PWR_D+: J4.A6 J4.B6 U17.4 U18.1
/USB/PWR_D-: J4.A7 J4.B7 U17.5 U18.2
/USB/USB_VBUS0: C101.2 C102.1 J2.A4 J2.A9 J2.B4 J2.B9 R38.1 R39.1 U9.1
/USB/USB_VBUS1: C110.2 C111.1 J3.A4 J3.A9 J3.B4 J3.B9 R43.1 R44.1 U12.1
/USB/USB_VBUS2: C104.2 C105.1 J1.1 U10.1
/USB/USB_VBUS3: C107.2 C108.1 J1.5 U11.1
VREF: C7.1 C42.1 C43.2 C44.1 R15.1 R16.2 U1.T16 U2.H1 U2.M8
Net-(AE1-A): AE1.1 C128.1 U23.3
Net-(C31-Pad2): C31.2 R11.1 R12.1
Net-(C137-Pad1): C137.1 R73.2
Net-(C138-Pad1): C138.1 R74.2
Net-(D1-K): D1.1 R47.1
Net-(D2-K): C114.2 D2.1 J5.18
Net-(D3-A): D3.2 R67.1
Net-(D4-A): D4.2 R68.1
Net-(D5-A): D5.2 R69.1
Net-(J2-CC1): J2.A5 R38.2
Net-(J2-CC2): J2.B5 R39.2
Net-(J3-CC1): J3.A5 R43.2
Net-(J3-CC2): J3.B5 R44.2
Net-(J6-CLK): J6.5 R53.2
Net-(J7-In): J7.1 U23.1
Net-(J8-Pad9): J8.9 R66.2
Net-(J8-Pad12): J8.12 R65.2
Net-(J8-RCT): C134.2 J8.5
Net-(J8-TCT): C133.2 J8.4
Net-(J10-Pin_1): J10.1 Q5.3
Net-(J10-Pin_2): J10.2 R72.2
Net-(J11-Pad3): J11.3 R73.1
Net-(J11-Pad4): J11.4 R74.1
Net-(Q1-B): Q1.1 R11.2
Net-(Q2-D): Q2.3 R30.2
Net-(Q2-G): C100.1 Q2.1 R31.2 R33.1
Net-(Q3-D): Q3.3 R37.1 U8.1
Net-(Q4-S): Q4.2 R46.2
Net-(Q5-S): Q5.2 R70.2 R71.2
Net-(R29-Pad2): R29.2 R32.2
Net-(U1A-SZQ): R6.2 U1.V10
Net-(U1B-VDD-EFUSE): C35.1 U1.G10
Net-(U1D-EPHY_RTX): R1.1 U1.F6
Net-(U1G-GND-CPUFB): R7.1 U1.T9
Net-(U1G-JTAG-SEL0): TP1.1 U1.A1
Net-(U1G-JTAG-SEL1): TP2.1 U1.B2
Net-(U1G-NMI): R4.2 U1.AA6
Net-(U2-ZQ): R17.1 U2.L8
Net-(U3-FB): C65.2 R20.1 R21.2 U3.5
Net-(U3-LX): L1.1 U3.3
Net-(U4-FB): C72.2 R22.1 R24.2 U4.5
Net-(U4-LX): L2.1 U4.3
Net-(U5-FB): C77.2 R23.1 R25.2 U5.5
Net-(U5-LX): L3.1 U5.3
Net-(U6-FB): C83.2 R26.1 R27.2 U6.5
Net-(U6-LX): L4.1 U6.3
Net-(U7-BS): C87.2 U7.1
Net-(U7-FB): C94.2 R28.2 R29.1 R30.1 U7.3
Net-(U7-LX): C87.1 L5.1 U7.6
Net-(U8-FB): C97.2 R34.1 R35.2 U8.5
Net-(U8-LX): L6.1 U8.3
Net-(U9-ISET): R40.1 U9.3
Net-(U10-ISET): R41.1 U10.3
Net-(U11-ISET): R42.1 U11.3
Net-(U12-ISET): R45.1 U12.3
Net-(U22-CLK): R54.2 U22.M6
Net-(U22-VDDI): C121.1 C122.2 U22.C2
Net-(U23-ANT): C127.2 U23.5
Net-(U24-SDIO_DATA_CLK): R60.2 U24.17
Net-(U24-VIN_LDO): C130.1 L7.2 U24.23
Net-(U24-VIN_LDO_OUT): L7.1 U24.21
Net-(U24-WL_BT_ANT): C127.1 U24.2
Net-(U24-XTAL_IN): C132.1 U24.10 Y3.3
Net-(U24-XTAL_OUT): C131.1 U24.11 Y3.1

Pads without a net: AE1 2; J2 A8 B8; J3 A8 B8; J4 A8 B8; J5 14; J8 7; J11 2; U1 A16 A20 AA2 AA8 AA9 AA11 AA12 AA14 AA15 AA17 AA18 B15 B16 B20 B21 C6 C7 C15 C16 C21 D1 D2 D8 D13 E11 E13 E18 E19 E20 F11 F13 F16 F19 F20 F21 H17 H18 H19 K4 K17 K18 L5 L17 L18 L19 M1 M3 N1 T5 U2 V1 V11 W1 W2 W3 W9 W12 W15 W21 Y1 Y2 Y7 Y8 Y9 Y10 Y11 Y12 Y13 Y14 Y15 Y16 Y17 Y21; U2 J1 J9 L1 L9; U22 A1 A2 A7 A8 A9 A10 A11 A12 A13 A14 B1 B7 B8 B9 B10 B11 B12 B13 B14 C1 C3 C5 C7 C8 C9 C10 C11 C12 C13 C14 D1 D2 D3 D4 D12 D13 D14 E1 E2 E3 E5 E8 E9 E10 E12 E13 E14 F1 F2 F3 F10 F12 F13 F14 G1 G2 G3 G10 G12 G13 G14 H1 H2 H3 H5 H12 H13 H14 J1 J2 J3 J12 J13 J14 K1 K2 K3 K6 K7 K10 K12 K13 K14 L1 L2 L3 L12 L13 L14 M1 M2 M3 M7 M8 M9 M10 M11 M12 M13 M14 N1 N3 N6 N7 N8 N9 N10 N11 N12 N13 N14 P1 P2 P7 P8 P9 P10 P11 P12 P13 P14; U24 4 5 8 25 26 27 28 29 30 32 35 37 38 39 40 45 46 47

## Via types
v1: diameter 0.45, hole 0.2, Top to Bottom, 356 vias
v2: diameter 0.6, hole 0.3, Top to Bottom, 467 vias

## Routing (per net, layer and track width the routed paths; a pad name or vN(x,y) marks a point on that pad's centre or on a via; arc(x,y) is an arc through that point)
+1V1_CPUX: length 25.4
  Top w0.2: U1.P8 56.22,25.42 ; U1.P8 56.87,25.42 v1(56.87,25.43) ; U1.P8 56.23,24.78 56.23,24.77 ; U1.P8 v1(56.88,24.77) U1.T6 58.08,24.03 58.08,24.16 v1(58.11,24.19) ; 56.22,25.42 U1.P9 v1(56.87,25.43) ; 56.22,25.42 U1.N8 v1(56.2,24.8) 56.23,24.77 ; 58.17,24.13 58.11,24.19 v1(58.11,24.19) ; 58.17,24.13 v1(57.54,24.76) v1(56.87,25.43) ; 58.17,24.13 U1.U6 ; 56.23,24.77 v1(56.86,24.14) U1.R6 57.53,24.12 v1(57.53,24.17) 57.58,24.17 U1.T7 ; v1(58.11,24.19) 58.12,24.2 v1(58.12,25.37) ; v1(58.12,25.37) U1.P6 ; v1(58.12,25.37) U1.U9 ; U1.R8 U1.P7
  Bottom w0.2: v1(58.12,25.37) 57.98,25.37 57.92,25.44 57.33,25.44 C15.2 57.31,25.43 v1(56.87,25.43) 56.4,25.43 56.38,25.4
  Bottom w0.25: v1(57.54,24.76) 58.49,24.76 C12.1 ; v1(57.54,24.76) 56.24,24.76 v1(56.2,24.8) 56.2,25.25 C16.2 ; v1(57.54,24.76) 58.12,25.34 v1(58.12,25.37) 58.58,24.92 C12.1 ; C12.1 58.11,24.21 v1(58.11,24.19) 57.54,24.19 v1(57.53,24.17) 57.38,24.32 C14.2 56.99,24.14 v1(56.86,24.14) 56.86,24.14 C13.2 ; v1(56.87,25.43) 56.87,24.78 v1(56.88,24.77)
  vias: v2(41.96,12.3) v2(41.96,11.42) v2(41.96,10.59) v2(42.71,12.3) v2(42.71,11.42) v2(42.71,10.59) v2(43.46,12.3) v2(43.46,11.42) v2(43.45,10.57) v2(44.2,12.3) v2(44.2,11.42) v2(44.2,10.6)
